# KiCad board st296n_20741.kicad_pcb (continued)
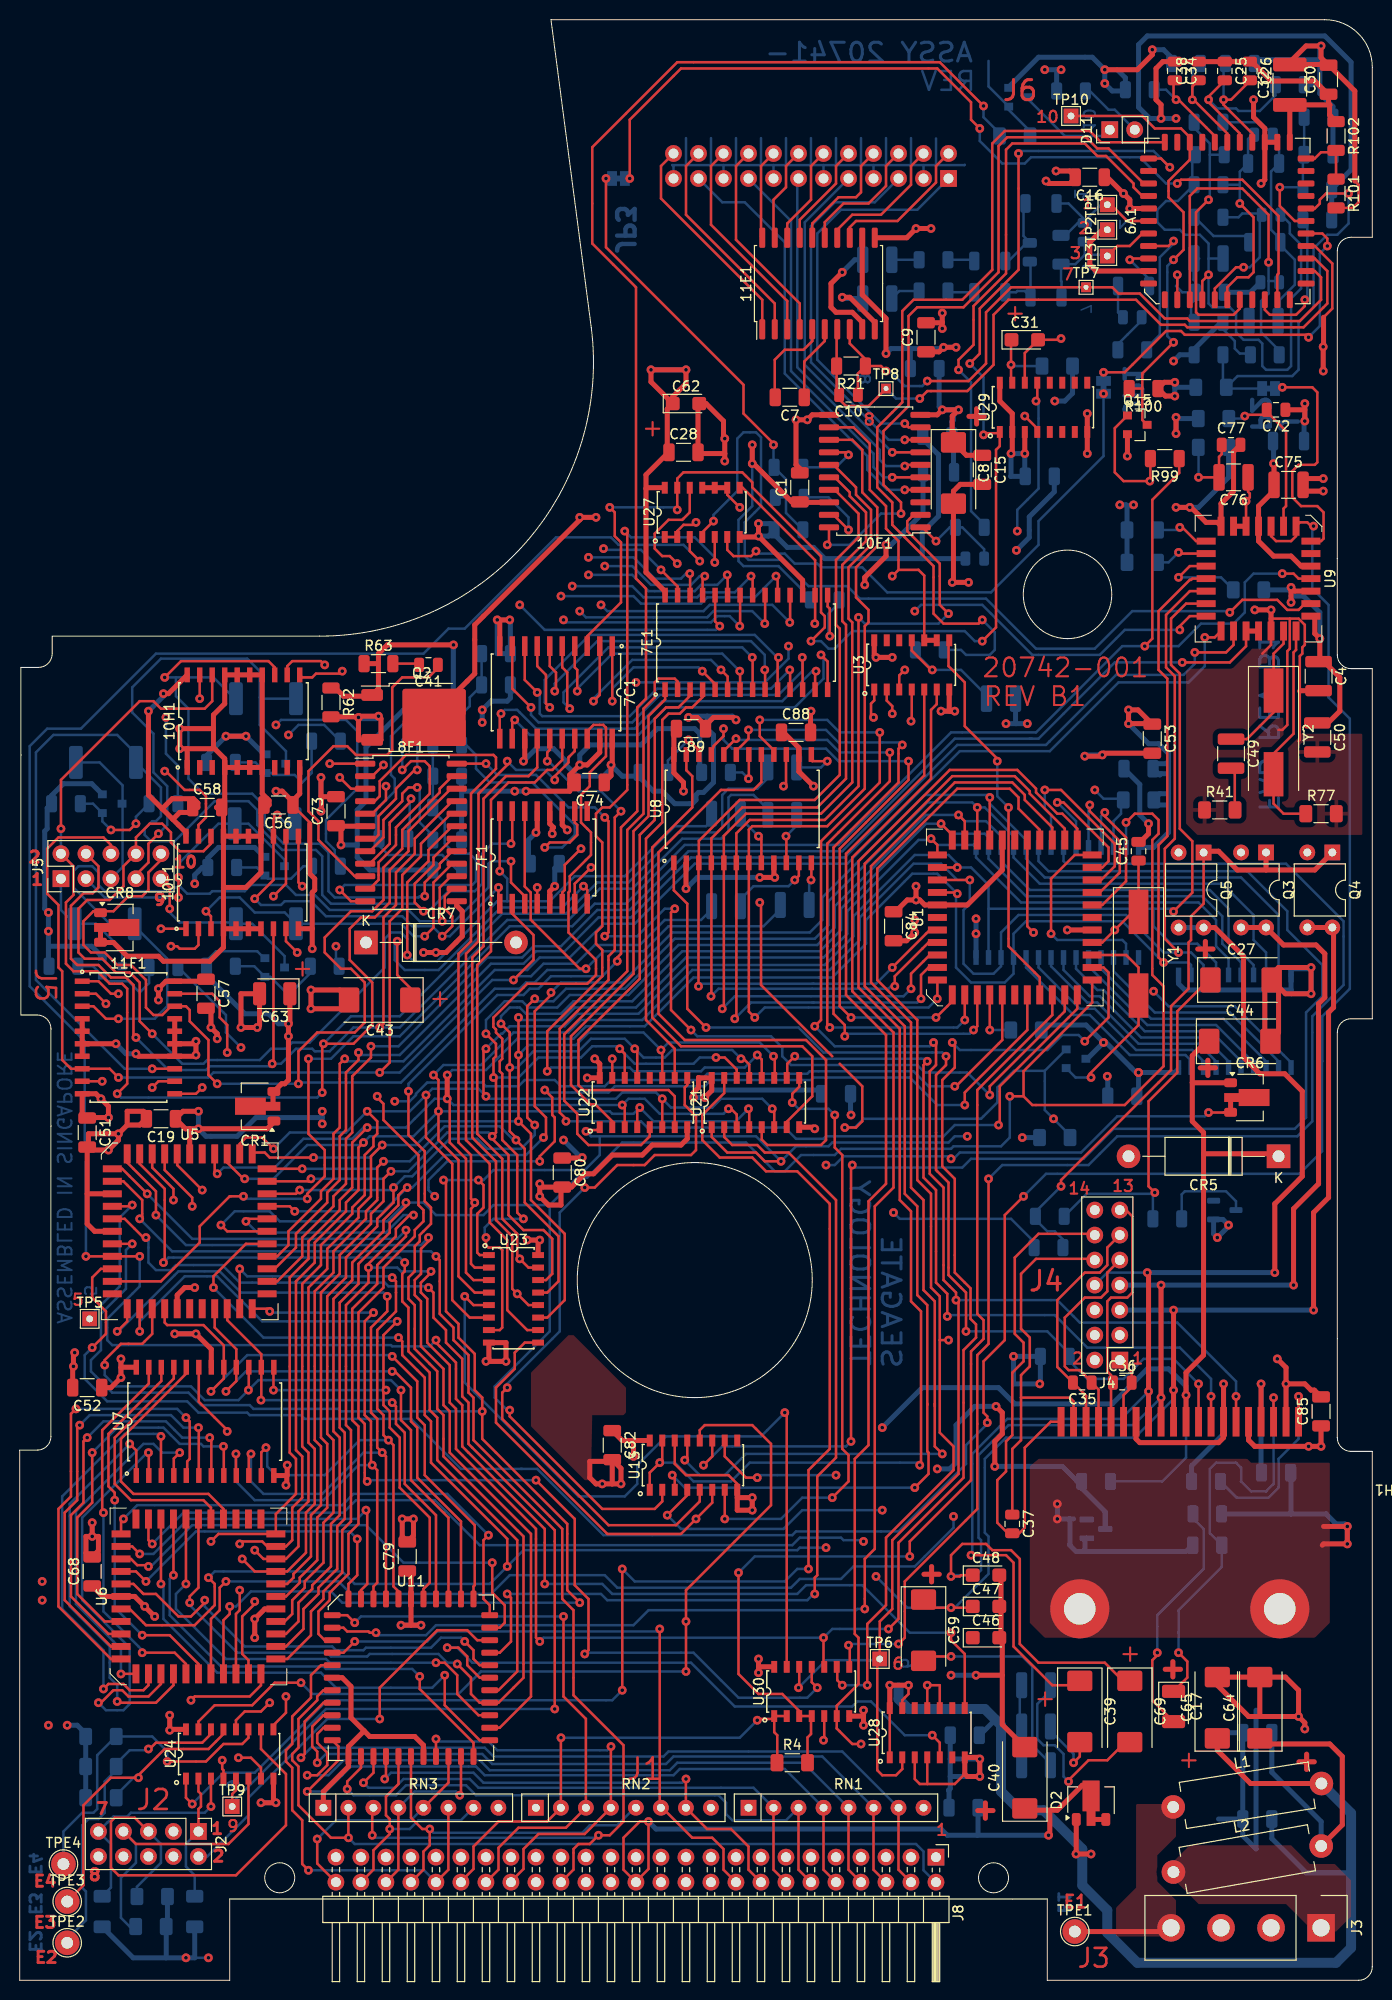
[diagram p0: board, top side]
## Routing (per net, layer and track width the routed paths; a pad name or vN(x,y) marks a point on that pad's centre or on a via; arc(x,y) is an arc through that point) (continued)
GND: length 1118.1
  Top w0.254: 129.03,138.3 129.03,135.25 128.78,135 128.78,127.51 128.27,127 127.89,127 ; 129.03,138.3 127.13,138.3 ; 129.03,138.3 129.92,138.3 130.56,137.67 130.56,135.64 130.3,135.38 130.3,134.75 130.05,134.49 130.05,125.98 129.92,125.86 ; U28.11 v1(92.2,29.97) 93.47,29.97 U28.10 ; 92.2,19.94 91.44,19.94 90.93,20.45 U28.3 ; 92.2,19.94 95,19.94 96.01,20.96 ; 92.2,19.94 U28.4 ; U13.8 72.9,50.42 72.01,51.31 67.69,51.31 66.55,52.45 U13.14 ; U9.23 127.13,135.64 126.24,134.75 ; 6A1.21 131.57,176.15 133.35,174.37 133.35,169.8 132.46,168.91 ; R101.2 135.44,180.02 136.02,180.59 136.02,182.37 135.64,182.75
  Top w0.508: 11F1.15 17.65,95.12 v1(17.91,95.38) v1(17.91,93.98) 17.78,93.85 11F1.14 ; C80.2 54.99,80.44 54.99,78.74 53.72,78.74 v1(52.83,79.63) v1(52.83,80.9) 53.16,80.57 C80.2 ; C80.2 56.06,80.57 57.4,81.92 58.29,81.92 60.2,83.82 63.25,83.82 64.26,84.84 67.18,84.84 67.82,85.47 U22.8 ; v1(30.61,122.17) 30.61,120.27 30.66,120.22 ; v1(75.06,146.69) v1(75.06,147.96) ; v1(75.06,146.69) 74.97,146.6 U27.7 ; v1(75.06,146.69) 79.54,142.21 7E1.17 ; v1(11.81,94.11) 12.07,93.85 11F1.14 ; v1(85.72,25.91) v1(85.72,27.43) 85.72,26.8 85.69,26.84 U30.7 ; 60.2,52.88 61.09,51.99 v1(61.09,50.42) 60.2,50.42 ; 60.2,52.88 60.02,52.71 57.91,52.71 57.91,51.05 58.55,50.42 v1(59.18,50.42) 60.2,50.42 ; 60.2,52.88 60.2,50.42 ; v1(17.78,70.36) 16.76,70.36 16,69.6 U5.22 ; 55.88,121.54 55.88,122.43 v1(56.9,123.44) 57.66,123.44 58.93,124.71 7C1.19 ; 55.88,121.54 56.01,121.67 56.44,121.67 ; 55.88,121.54 55.88,120.78 v1(51.44,120.78) ; v1(117.47,157.1) v1(117.47,158.75) ; 6.86,84.33 6.86,79.88 ; 6.86,84.33 6.98,84.46 6.98,85.98 v1(10.03,85.98) ; 6.86,84.33 v1(9.02,84.33) 10.03,85.34 v1(10.03,85.98) ; 6.86,79.88 6.86,76.84 7.62,76.07 U5.12 ; 6.86,79.88 U5.9 ; v1(110.24,194.06) 113.54,194.06 115.06,195.58 v1(115.06,196.09) ; 135.64,182.75 135.64,191.9 133.02,194.52 C30.2 ; v1(129.92,26.8) 129.92,29.46 128.59,30.8 C64.2 ; v1(129.92,26.8) 125.98,26.8 ; v1(129.92,26.8) 130.56,26.16 v1(130.56,25.53) ; 128.65,56.73 v1(128.65,60.58) ; v1(128.65,60.58) 128.65,62.23 v1(127.76,63.12) ; v1(128.65,60.58) 130.56,60.58 131.19,59.94 131.52,59.94 C85.2 ; v1(15.75,65.66) v1(17.91,65.66) 19.47,64.1 U7.18 ; 10H1.4 20.83,124.08 19.69,125.22 ; 10H1.4 20.83,119.95 20,119.13 20.7,118.43 10F1.17 ; 10H1.4 10H1.7 ; v1(125.35,191.01) 125.35,189.23 126.49,188.09 6A1.31 ; v1(10.03,85.98) 10.92,86.87 ; v1(132.43,151.26) 130.81,151.26 130.38,151.69 C75.2 130.38,152.22 130.68,152.53 v1(132.43,152.53) ; U1.22 v1(106.43,106.68) ; 10.92,86.87 10.92,88.27 12.57,88.27 12.88,87.96 C19.2 12.83,87.5 12.19,86.87 10.92,86.87 ; 93.73,168.4 v1(93.73,167.77) ; 93.73,168.4 v1(93.73,169.34) ; 93.73,168.4 93.68,168.35 C9.2 ; 10H1.1 17.02,125.1 ; 17.02,125.1 19.56,125.1 19.69,125.22 ; 17.02,125.1 v1(16.26,125.1) v1(16.26,127.13) 19.69,127.13 ; CR8.2 8.21,106.85 CR8.3 8.23,105.41 9.52,105.41 10.92,104.01 14.1,104.01 14.61,103.51 19.3,103.51 20.7,104.9 10F1.4 ; C4.2 130.1,130.99 130.05,130.94 ; 19.69,127.13 19.69,128.52 20.83,129.67 10H1.17 10H1.14 10H1.7 ; 19.69,127.13 19.69,125.22 ; 11F1.6 v1(9.78,95.12) ; 20.7,111 10F1.17 ; 20.7,111 10F1.4 ; 20.7,111 22.99,111 24.51,112.52 10F1.14 ; 10F1.17 10F1.14 ; v1(122.3,60.58) 4H1.7 122.3,55.12 121.79,54.61 113.79,54.61 113.41,54.99 4H1.14 ; 11F1.14 11F1.17 ; 27.14,51.27 27.14,50.38 v1(27.05,50.29) ; 27.14,51.27 27.18,51.31 v1(27.18,52.32) ; 27.14,51.27 U7.12 ; 11E1.11 90.12,176.99 v1(91.06,177.93) v1(92.58,177.93) ; C64.2 C65.2 121.67,29.97 124.84,26.8 125.98,26.8 ; C64.2 125.98,26.8 ; C73.2 30.66,120.22 ; 30.66,120.22 30.66,118.79 v1(30.61,118.75) ; 11F1.4 11F1.7 ; C89.2 66.46,126.86 U8.24 66.46,122.65 67.44,121.67 v1(67.44,120.78) ; 34.99,25.34 33.4,23.75 U11.18 33.4,21.72 30.85,19.17 RN3.1 ; 34.99,25.34 35.56,24.77 40.13,24.77 41.02,23.88 U11.24 ; 34.99,25.34 33.66,26.67 33.66,29.84 32.77,30.73 U11.12 ; 71.63,155.07 v1(71.63,156.59) 71.5,156.72 71.5,158.37 69.72,160.15 C62.2 68.91,160.02 C28.2 69.04,155.07 71.63,155.07 ; 71.63,155.07 v1(71.63,154.31) ; v1(75.18,112.01) v1(76.71,112.01) 76.62,112.11 U8.9 ; C15.2 95.55,151.94 94.86,151.25 C8.2 94.86,142.11 v1(94.74,141.99) v1(96.39,141.99) ; 99.82,30.99 99.82,25.97 C40.2 ; 99.82,30.99 99.82,34.5 C46.2 99.69,34.97 99.69,37.8 C47.2 99.69,38.15 99.69,40.97 C48.2 ; 99.82,30.99 v1(97.16,30.99) ; 132.46,46.1 v1(134.87,46.1) v1(134.87,44.32) 132.46,44.32 132.33,44.2 ; v1(24.51,18.03) v1(26.04,18.03) 25.78,18.29 U24.8 ; v1(49.78,138.18) v1(48.51,138.18) 48.77,137.92 7C1.10 ; 44.4,109.6 44.4,109.14 44.96,108.59 44.96,106.05 43.31,104.39 v1(42.29,104.39) v1(41.02,104.39) ; v1(112.52,154.81) 112.54,154.83 Q15.2 ; C84.2 90.09,105.59 v1(90.93,106.43) v1(90.93,107.7) ; U13.8 72.9,49.02 ; 72.9,49.02 v1(74.42,49.02) v1(74.42,47.75) 72.9,47.75 72.9,49.02 ; v1(67.69,110.87) 67.69,113.46 U8.2 ; v1(126.11,182.5) 126.49,182.88 6A1.31 ; v1(23.88,34.8) v1(23.88,36.7) 24.89,37.72 26.02,37.72 ; 10F1.14 24.51,118.55 25.34,119.38 25.34,119.82 24.64,120.52 10H1.7 ; U9.23 v1(127.13,139.19) v1(125.48,139.19) ; C27.2 127.89,100.9 127.89,96.27 127.06,95.44 C44.2 127.06,95.69 126.49,96.27 126.49,100.9 C27.2 ; C27.2 127.19,102.17 127.89,102.87 v1(131.19,102.87) v1(131.19,100.2) 128.59,100.2 C27.2 ; 10E1.11 80.52,159 v1(80.01,158.5) v1(78.87,158.5) 78.87,153.92 79.25,153.54 C1.2 ; C30.2 132.21,195.28 v1(132.21,196.47) 130.68,196.47 129.03,194.82 C32.2 132.9,194.58 C30.2 ; C77.2 123.32,155.26 123.32,151.26 122.05,149.99 U9.11 122.05,147.7 121.67,148.08 120.52,148.08 119,149.61 v1(118.87,149.61) v1(117.47,149.61) ; v1(7.37,45.09) 6.73,45.09 6.73,43.43 7.16,43 C68.2 8,43.64 8,45.09 v1(7.37,45.09) ; v1(7.37,45.09) v1(7.37,46.48) ; 132.46,168.91 132.46,165.95 v1(132.42,165.91) 132.42,163.46 v1(132.43,163.45) ; v1(93.6,128.91) v1(95,128.91) 94.49,128.91 94.43,128.96 U3.7 ; v1(104.27,182.75) 104.52,182.5 106.68,182.5 107.24,183.06 C16.2 107.24,183.21 106.68,183.77 v1(105.28,183.77) ; v1(108.46,159.13) U29.8 v1(108.46,155.07) ; 7F1.13 52.58,116.71 v1(52.45,116.59) ; C52.2 5.38,62.28 v1(5.46,62.36) 5.46,63.63 v1(5.59,63.75) ; C53.2 110.16,124.64 v1(109.98,124.46) 109.85,124.33 v1(108.2,124.33) ; v1(20.07,95.63) 20.07,96.14 v1(19.43,96.77) 19.43,98.43 19.13,98.73 C57.2 ; v1(80.39,128.91) 80.34,128.86 C88.2 ; TP2.1 109.98,177.8 108.71,176.53 108.71,174.24 109.35,173.61 6A1.5 ; 10F1.7 10F1.4 ; v1(114.68,117.48) 114.68,116.46 113.85,115.63 C45.2 ; 6A1.31 6A1.30 ; v1(80.77,86.49) 80.61,86.65 U21.8 ; 38.86,45.09 v1(38.86,46.86) v1(40,46.86) 40,45.16 C79.2 39.37,44.58 38.86,45.09 ; U28.7 97.37,22.65 v1(97.54,22.48) v1(97.54,20.7) 96.27,20.7 96.01,20.96 U28.7 ; U23.8 49.4,64.77 v1(49.4,62.87) v1(47.37,62.87) 47.67,63.16 U23.8 ; C43.2 33.46,99.63 32.51,100.58 v1(29.59,100.58) v1(29.59,98.68) 32.64,98.68 33.46,99.5 C43.2 ; C63.2 22.48,100.2 v1(22.48,96.77) v1(24.13,96.77) 24.37,97.01 C63.2
  Bottom w0.254: 77.85,184.4 77.85,187.11 ; J6.3 91.82,184.37 ; 91.82,184.37 93.09,184.37 ; 91.82,184.37 86.74,184.37 ; J6.23 66.42,184.24 66.29,184.37 71.5,184.37 ; 81.66,184.37 86.74,184.37 ; 81.66,184.37 76.58,184.37 ; 81.66,184.37 J6.11 ; 86.74,184.37 J6.7 ; 75.31,184.4 75.31,187.11 ; 93.09,184.37 95.97,184.37 96.01,184.4 ; 93.09,184.37 93.09,187.07 ; 72.77,184.4 72.77,187.11 ; 80.39,184.4 80.39,187.11 ; 70.23,184.4 70.23,187.11 ; J6.19 71.5,184.37 ; 71.5,184.37 76.58,184.37 ; 88.01,184.4 88.01,187.11 ; 67.69,184.4 67.69,187.11 ; R27.2 124.9,165.23 123.95,165.23 123.44,165.74 123.44,166.5 122.24,167.7 R26.1 ; 76.58,184.37 J6.15 ; 82.93,184.4 82.93,187.11 ; 90.55,184.4 90.55,187.11 ; 85.47,184.4 85.47,187.11
  Bottom w0.508: R26.1 122.05,168.4 119.31,165.67 R35.2 117.86,165.1 v1(117.22,164.47) ; C78.2 133.42,185.43 R103.2 133.42,190.31 132.08,191.64 132.08,192.53 ; v1(117.47,149.61) v1(118.87,149.61) 119.76,149.61 122.81,152.65 122.81,155.68 R96.2 ; C81.2 84.41,87.93 v1(84.45,87.88) ; v1(19.43,96.77) 20.07,96.14 v1(20.07,95.63) ; C18.2 119.13,44.2 118.49,43.56 108.2,43.56 ; v1(97.16,107.82) v1(97.16,106.3) U4.14 ; R3.2 76.64,147.25 76.07,146.69 v1(75.06,146.69) ; R3.2 76.64,146.88 77.98,145.54 80.64,145.54 81.79,144.4 91.69,144.4 ; R3.2 76.64,147.51 76.2,147.96 v1(75.06,147.96) ; 132.08,195.07 126.11,195.07 125.73,194.69 R33B1.1 ; 132.08,195.07 132.08,196.34 v1(132.21,196.47) ; 132.08,195.07 132.08,192.53 ; 44.9,120.78 R55.2 ; 44.9,120.78 R57.1 ; 44.9,120.78 v1(50.29,120.78) v1(51.44,120.78) ; v1(11.81,94.11) 10.8,94.11 v1(9.78,95.12) ; v1(115.06,196.09) 116.21,196.09 117.03,195.26 R53.2 ; 51.86,113.41 51.86,113.87 51.69,114.05 51.69,115.82 v1(52.45,116.59) ; 108.2,43.56 108.2,44.69 CR4.1 ; 108.2,43.56 107.31,43.56 106.68,44.2 106.68,46.86 ; C33.2 129.16,51.51 129.16,47.37 ; v1(117.47,157.1) v1(117.47,158.75) 117.6,158.62 119.74,158.62 ; 132.08,192.53 R32.2 ; C70.2 124.25,14.68 125.6,13.34 125.6,27.43 ; C70.2 C66.2 122.3,25.15 ; C70.2 121.79,16.38 ; v1(22.48,96.77) v1(24.13,96.77) ; U2.1 117.73,101.22 118.36,100.58 129.16,100.58 ; 94.54,22.48 94.54,20.7 ; 94.54,22.48 C86.2 ; 94.54,22.48 v1(97.54,22.48) v1(97.54,20.7) 94.54,20.7 ; 94.54,20.7 94.54,19.48 94.36,19.3 94.41,19.26 C6.2 ; v1(17.91,65.66) v1(15.75,65.66) ; 106.68,46.86 107.06,46.86 ; 106.68,46.86 v1(105.41,46.86) v1(105.41,48.39) ; 101.22,127.64 v1(100.2,127.64) ; 101.22,127.64 101.17,127.68 C5.2 ; 101.22,127.64 v1(102.36,127.64) ; v1(111.76,149.86) 112.4,149.86 112.5,149.76 ; v1(101.25,145.24) 102.57,146.55 102.57,148.64 105.11,151.18 C55.2 ; v1(4.83,25.91) 5.84,25.91 6.7,25.05 6.7,18.54 ; v1(113.16,149.86) 113.06,149.76 112.5,149.76 ; C71.2 113.79,121.46 113.79,118.36 v1(114.68,117.48) ; v1(110.24,194.06) 108.97,195.33 103.5,195.33 100.47,192.29 Q13.2 ; v1(110.24,194.06) v1(110.24,192.66) 111,191.9 112.2,191.9 R51.2 112.33,193.23 111.51,194.06 v1(110.24,194.06) ; v1(109.98,124.46) 108.33,124.46 v1(108.2,124.33) ; v1(76.71,112.01) v1(75.18,112.01) 68.83,112.01 v1(67.69,110.87) ; 129.16,100.58 U2.10 129.16,102.62 129.29,102.74 131.06,102.74 v1(131.19,102.87) v1(131.19,100.2) 129.16,100.2 129.16,100.58 ; v1(122.3,60.58) 122.3,55.5 119.06,52.26 R50.1 ; C3.1 91.69,144.4 ; 91.69,144.4 91.69,147.07 93.34,148.72 93.34,154.94 91.74,156.54 C2.2 ; v1(23.88,36.7) v1(23.88,34.8) ; 112.5,149.76 R97.2 R98.2 ; v1(38.86,46.86) v1(40,46.86) ; v1(30.61,118.75) v1(30.61,122.17) ; v1(110.49,91.82) 110.54,91.77 C83.2 ; v1(74.42,49.02) v1(74.42,47.75) ; R49.1 129.16,47.37 ; 129.16,47.37 132.72,47.37 133.73,46.36 134.62,46.36 v1(134.87,46.1) v1(134.87,44.32) ; v1(24.51,18.03) v1(26.04,18.03) ; v1(90.93,106.43) v1(90.93,107.7) ; R7.2 69.09,122.87 69.09,126.62 68.58,127.13 64.77,127.13 63.12,125.48 57.91,125.48 56.9,124.46 v1(56.9,123.44) ; v1(97.16,30.99) v1(94.61,30.99) ; R11.1 v1(101.85,85.6) ; v1(47.37,62.87) v1(49.4,62.87) ; v1(16.26,125.1) v1(16.26,127.13) ; v1(95,128.91) v1(93.6,128.91) ; 49.85,138.11 v1(49.78,138.18) v1(48.51,138.18) 48.51,134.75 R60.1 49.85,138.11
  vias: v1(2.29,40.51) v1(2.29,38.61) v1(2.92,25.91)
/Analog/COILU: length 131.6
  Top w0.254: v1(96.65,43.18) 100.2,43.18 100.97,42.42 100.97,33.91 104.9,29.97 107.25,29.97 C39.1
  Top w0.508: Q5.4 121.42,106.92 124.33,104.01 124.33,93.73 125.98,92.08 128.52,92.08 130.3,90.3 130.3,81.66 127.51,78.87 v1(127.51,71.88) ; v1(114.55,71.88) 114.68,71.76 4H1.13
  Bottom w0.254: v1(114.68,59.82) 111.89,57.02 100.33,57.02 96.77,53.47 96.77,43.31 v1(96.65,43.18) ; v1(114.55,71.88) 110.49,71.88 J4.8
  Bottom w0.508: v1(114.55,71.88) v1(127.51,71.88) ; Q5.3 Q5.4
/Analog/COILV: length 146
  Top w0.254: 96.82,41.15 95.63,41.15 95.5,41.02 v1(94.61,41.02) 94.61,43.18 95.76,44.32 98.17,44.32 98.81,43.69 100.71,43.69 101.6,42.8 101.6,34.16 103.5,32.26 110.24,32.26 112.08,30.42 C69.1
  Top w0.508: v1(115.95,70.61) 4H1.12 ; Q3.3 Q3.4 128.4,105.16 131.7,105.16 132.59,104.27 132.59,99.82 131.95,99.19 131.95,80.9 129.41,78.36 v1(129.41,70.61)
  Bottom w0.254: v1(115.95,59.18) 113.16,56.39 100.46,56.39 97.41,53.34 97.41,44.96 97.66,44.7 97.66,41.66 97.16,41.15 94.74,41.15 v1(94.61,41.02)
  Bottom w0.508: v1(129.41,70.61) v1(115.95,70.61) J4.7
/Analog/COILW: length 233.4
  Top w0.254: 7F1.6 55.12,110.49 55.37,110.74 55.37,113.28 v1(57.02,114.94) ; 96.69,37.97 96.57,37.85 v1(94.61,37.85) 92.65,37.85 C59.1
  Top w0.508: v1(131.44,68.07) 131.44,77.98 132.97,79.5 132.97,98.3 133.48,98.81 133.48,106.81 Q4.4 Q4.3 ; v1(117.22,68.07) 4H1.11
  In2.Cu w0.254: v1(57.02,114.94) 56.77,114.68 56.77,112.65 57.28,112.14 58.29,112.14 66.29,104.14 81.66,104.14 87,98.81 87,81.53 84.07,78.61 84.07,61.59 88.52,57.15 88.52,42.55 v1(87,41.02)
  Bottom w0.254: v1(117.22,59.94) 117.22,59.06 113.28,55.12 100.2,55.12 98.04,52.96 98.04,45.47 98.42,45.09 98.42,41.28 95,37.85 v1(94.61,37.85) 90.17,37.85 v1(87,41.02)
  Bottom w0.508: v1(131.44,68.07) v1(117.22,68.07) J4.5
/Analog/HDC1: length 41.8
  Top w0.254: v1(89.92,158.12) 90.3,157.73 10E1.9
  Bottom w0.254: v1(89.92,158.12) 87.5,158.12 81.03,164.59 81.03,177.42 83.44,179.83 91.19,179.83 J6.1
/Analog/HDC2: length 39.1
  Top w0.254: 10E1.8 v1(89.92,156.46)
  Bottom w0.254: J6.5 86.87,180.59 82.8,180.59 80.39,178.18 80.39,164.34 88.27,156.46 v1(89.92,156.46)
/Analog/HDC3: length 36.2
  Top w0.254: 10E1.7 v1(88.65,155.19)
  Bottom w0.254: v1(88.65,155.19) 79.76,164.08 79.76,178.56 J6.9
/Analog/HDC4: length 36.6
  Top w0.254: 10E1.6 90.04,153.92 v1(89.92,153.8)
  Bottom w0.254: v1(89.92,153.8) 88.01,153.8 87.38,154.43 87.38,155.45 78.99,163.83 78.99,182.88 79.12,183.01
/Analog/HDC5: length 39.8
  Top w0.254: 10E1.5 v1(88.65,152.65)
  Bottom w0.254: v1(88.65,152.65) 87.76,152.65 86.74,153.67 86.74,155.07 78.36,163.45 78.36,178.69 J6.17
/Analog/HDC6: length 44.3
  Top w0.254: 10E1.4 v1(89.92,151.38)
  Bottom w0.254: 68.96,183.01 71.37,180.59 73.66,180.59 77.72,176.53 77.72,163.19 86.11,154.81 86.11,153.42 88.14,151.38 v1(89.92,151.38)
/Analog/M_ENA: length 126.8
  Top w0.254: 15.49,90.04 17.91,90.04 v1(18.54,90.68) ; v1(68.07,142.88) 68.11,142.84 7E1.26
  In2.Cu w0.254: v1(57.78,144.53) 56.13,144.53 52.32,140.72 52.32,139.06 51.44,138.18 51.44,137.67 50.42,136.65 47.24,136.65 42.55,131.95 33.53,131.95 33.15,131.57 28.07,131.57 25.53,129.03 19.56,129.03 18.92,128.4 16.13,128.4 14.86,127.13 5.21,127.13 2.79,124.71 2.79,111.25 5.97,108.08 5.97,96.65 9.14,93.47 9.65,93.47 12.07,91.06 12.07,90.42 12.57,89.92 17.78,89.92 v1(18.54,90.68)
  Bottom w0.254: v1(68.07,142.88) 67.69,142.88 67.18,142.37 64.52,142.37 62.36,144.53 v1(57.78,144.53)
/Analog/M_ENB: length 50.4
  Top w0.254: v1(71.12,137.54) 70.65,138.01 7E1.24 ; v1(32.77,132.97) 32.51,132.72 30.1,132.72 29.72,132.33 28.7,132.33 10H1.11
  In2.Cu w0.254: v1(32.77,132.97) 40,132.97 43.69,136.65 45.34,136.65 47.88,139.19 50.29,139.19 v1(50.8,139.7)
  Bottom w0.254: v1(71.12,137.54) 70.74,137.16 53.34,137.16 v1(50.8,139.7)
/Analog/M_ENC: length 123.2
  Top w0.254: v1(14.35,106.81) 14.35,106.81 10F1.1 ; v1(73.15,137.54) 73.19,137.58 7E1.22
  In2.Cu w0.254: v1(55.25,138.18) 53.97,136.91 53.97,136.4 51.69,134.11 48.64,134.11 43.81,129.29 34.8,129.29 34.54,129.03 29.97,129.03 28.83,127.89 28.83,125.6 28.07,124.84 24.77,124.84 23.75,125.86 23.75,127.25 23.24,127.76 20.19,127.76 16.76,124.33 15.75,124.33 15.11,124.97 8.89,124.97 7.87,123.95 7.87,109.86 7.75,109.73 7.75,98.55 9.27,97.03 10.41,97.03 11.18,97.79 11.18,103.63 v1(14.35,106.81)
  Bottom w0.254: v1(55.25,138.18) 55.5,137.92 70.23,137.92 70.87,138.56 72.14,138.56 v1(73.15,137.54)
/Analog/M_END: length 111.5
  Top w0.254: v1(10.03,100.2) 9.27,100.2 8,101.47 6.09,101.47 ; v1(75.69,137.8) 75.73,137.83 7E1.20
  In2.Cu w0.254: v1(56.9,139.06) 56.9,138.05 52.2,133.35 48.89,133.35 47.88,132.33 47.88,126.75 47.24,126.11 31.75,126.11 27.94,122.3 27.94,120.78 26.67,119.51 19.56,119.51 14.99,124.08 12.07,124.08 10.54,122.56 10.54,100.71 v1(10.03,100.2)
  Bottom w0.254: v1(75.69,137.8) 74.42,139.06 70.48,139.06 69.85,138.43 57.53,138.43 v1(56.9,139.06)
/Analog/M_ENE: length 83.9
  Top w0.254: 7E1.18 78.27,137.96 v1(78.23,137.92) ; v1(28.7,111.12) 28.32,111.51 10F1.11
  In1.Cu w0.254: v1(59.06,139.7) 59.31,139.45 59.31,129.54 55.25,125.48 31.24,125.48 28.7,122.94 v1(28.7,111.12)
  Bottom w0.254: v1(78.23,137.92) 76.45,139.7 70.1,139.7 69.47,139.06 59.69,139.06 v1(59.06,139.7)
/Analog/MOT_INDEX: length 105.1
  Top w0.254: v1(94.11,93.85) 94.11,92.96 93.09,91.95 93.09,82.3 94.36,81.03 94.36,71.63 96.14,69.85 v1(96.14,65.91) ; 4H1.9 v1(119.76,60.58) ; v1(69.72,96.77) 67.82,98.68 67.82,109.35 66.46,110.71 U8.1
  Bottom w0.254: v1(94.11,93.85) 93.73,94.23 81.66,94.23 79.12,96.77 v1(69.72,96.77) ; v1(96.14,65.91) 104.39,65.91 106.62,63.69 R46.2 106.62,62.93 108.46,61.09 112.14,61.09 114.17,63.12 117.22,63.12 v1(119.76,60.58)
/Analog/MOTA+: length 127.3
  Top w0.254: 15.5,92.58 v1(13.46,92.58) ; v1(41.02,108.59) 40.13,109.47 40.13,111.38 42.04,113.28 42.04,114.05 43.94,115.95 44.4,115.95 ; v1(49.91,115.44) 50.04,115.57 7F1.15
  Bottom w0.254: v1(49.91,115.44) 48.01,115.44 46.99,114.43 46.99,111.38 46.23,110.62 43.56,110.62 41.53,108.59 v1(41.02,108.59) 40.26,109.35 31.62,109.35 30.73,110.24 30.73,114.17 30.1,114.81 26.67,114.81 24.13,117.35 24.13,118.87 23.24,119.76 19.81,119.76 15.75,115.7 13.34,115.7 12.7,116.33 12.7,116.97 13.46,117.73 13.84,117.73 14.35,118.24 14.35,121.16 11.81,123.7 R67.1 11.81,124.59 9.91,126.49 3.43,126.49 1.65,124.71 1.65,101.6 10.67,92.58 v1(13.46,92.58)
/Analog/MOTA-: length 168.7
  Top w0.254: 14.35,114.43 14.35,113.79 13.08,112.52 13.08,110.74 12.45,110.11 11.05,110.11 9.52,108.59 7.49,108.59 6.48,107.57 6.48,105.16 7.24,104.39 8.64,104.39 9.91,103.12 11.3,103.12 12.83,101.6 12.83,98.81 13.59,98.04 14.48,98.04 15.37,98.93 16.89,98.93 17.27,98.55 17.27,97.41 19.18,95.5 19.18,91.95 v1(20.07,91.06) ; v1(57.53,102.74) 56.9,102.74 51.91,107.73 51.91,110.49 51.31,111.1 7F1.14 ; v1(28.32,91.06) 28.32,94.36 30.23,96.27 34.04,96.27 35.05,97.28 35.05,101.35 33.66,102.74 32.64,102.74 30.99,104.39 30.99,105.92 33.66,108.59 35.81,108.59 36.96,109.73 36.96,113.03 38.86,114.94 38.86,116.84 42.67,120.65 42.67,121.03 43.94,122.3 44.4,122.3
  Bottom w0.254: v1(20.07,91.06) v1(28.32,91.06) 28.45,91.19 38.73,91.19 48.26,100.71 50.8,100.71 51.44,101.35 52.32,101.35 53.59,102.62 57.4,102.62 v1(57.53,102.74) 59.31,104.52 63.37,104.52 65.91,107.06 75.56,107.06 77.28,108.77 R19.1
/Analog/MOTA_U: length 72.3
  Top w0.254: v1(65.15,143.26) 66.84,141.57 7E1.27
  In2.Cu w0.254: v1(59.31,145.42) 58.8,145.42 58.67,145.54 56.26,145.54 51.69,140.97 51.69,139.45 50.8,138.56 50.8,137.8 50.29,137.29 46.86,137.29 42.04,132.46 33.39,132.46 33.01,132.08 27.81,132.08 25.4,129.67 19.3,129.67 18.67,129.03 15.62,129.03 v1(14.86,128.27)
  Bottom w0.254: v1(14.86,128.27) 14.86,124.59 16.07,123.38 R18.1 ; v1(65.15,143.26) 63.12,145.29 59.44,145.29 v1(59.31,145.42)
/Analog/MOTB+: length 70.5
  Top w0.254: 44.4,114.68 43.94,114.68 42.67,113.41 42.67,113.03 41.15,111.51 v1(41.15,110.11) ; v1(14.73,132.33) 16.38,133.99 25.27,133.99 25.91,133.35 10H1.13
  Bottom w0.254: R81.1 21.84,130.18 19.69,132.33 15.88,132.33 ; v1(41.15,110.11) 40.64,110.11 40.51,109.98 32,109.98 31.37,110.62 31.37,114.55 30.48,115.44 26.8,115.44 24.89,117.35 24.89,119.25 23.62,120.52 18.67,120.52 17.15,122.05 17.15,129.16 15.88,130.43 15.88,132.33 ; 15.88,132.33 v1(14.73,132.33)
/Analog/MOTB-: length 181.8
  Top w0.254: v1(30.73,90.17) 30.73,95 v1(30.86,95.12) 33.91,95.12 35.81,97.03 35.81,101.35 33.53,103.63 33.53,106.81 34.67,107.95 36.07,107.95 37.59,109.47 37.59,112.78 39.5,114.68 39.5,116.71 43.81,121.03 44.4,121.03 ; v1(4.19,116.97) 4.19,121.92 12.19,129.92 13.59,129.92 14.35,129.16 18.8,129.16 19.56,129.92 10H1.18 ; v1(9.91,90.04) 10.92,91.06 10.92,100.71 10.41,101.22 9.14,101.22 7.87,102.49 5.46,102.49 4.7,103.25 4.7,109.47 5.46,110.24 5.46,113.16 4.19,114.43
  Bottom w0.254: 4.19,114.43 v1(4.19,116.97) ; v1(30.73,90.17) 30.23,89.66 10.29,89.66 v1(9.91,90.04) ; R33.1 76.01,122.11 74.93,121.03 72.01,121.03 71.37,120.4 71.37,117.09 70.87,116.59 66.93,116.59 61.85,111.51 58.67,111.51 55.5,108.33 49.02,108.33 38.61,97.92 33.66,97.92 v1(30.86,95.12)
/Analog/MOTB_U: length 65.5
  Top w0.254: 69.38,140.69 69.38,142.4 v1(69.6,142.62)
  In2.Cu w0.254: v1(59.44,143.64) 56.13,143.64 52.96,140.46 52.96,138.68 52.07,137.8 52.07,137.16 50.93,136.02 47.62,136.02 42.93,131.32 33.91,131.32 33.53,130.94 28.32,130.94 25.91,128.52 25.53,128.52 25.02,128.02 25.02,127 25.53,126.49 v1(27.3,126.49)
  Bottom w0.254: v1(27.3,126.49) 28.32,127.51 30.93,127.51 R36.1 ; v1(59.44,143.64) 62.23,143.64 64.14,141.73 68.2,141.73 69.09,142.62 v1(69.6,142.62)
/Analog/MOTC+: length 35.4
  Top w0.254: v1(41.15,106.05) 42.04,106.93 42.04,111.51 43.94,113.41 44.4,113.41 ; 10F1.3 19.43,108.08 v1(18.92,108.59)
  Bottom w0.254: v1(41.15,106.05) 40,106.05 38.73,107.32 R67B1.1 26.93,108.46 23.88,108.46 22.35,109.98 20.32,109.98 v1(18.92,108.59)
/Analog/MOTC-: length 146.6
  Top w0.254: v1(36.58,96.77) 36.96,97.16 36.96,107.95 38.23,109.22 38.23,112.52 40.13,114.43 40.13,115.95 43.94,119.76 44.4,119.76 ; v1(25.65,93.09) 25.78,93.22 10F1.8 ; 6.73,114.43 8,113.16 8,111 7.41,110.41 6.48,110.41 5.21,109.14 5.21,103.76 5.84,103.12 8,103.12 9.27,101.85 10.8,101.85 11.56,101.09 11.56,96.01 v1(11.81,95.76)
  Bottom w0.254: R12.1 76.01,118.94 74.55,120.4 72.26,120.4 72.01,120.14 72.01,116.71 71.25,115.95 67.31,115.95 62.23,110.87 58.93,110.87 55.75,107.7 49.53,107.7 38.61,96.77 v1(36.58,96.77) 33.91,96.77 31.5,94.36 29.97,94.36 29.72,94.62 28.07,94.62 26.54,93.09 v1(25.65,93.09) 25.4,92.84 19.3,92.84 18.92,92.46 15.11,92.46 v1(11.81,95.76)
/Analog/MOTC_U: length 89.2
  Top w0.254: v1(71.88,142.75) 71.92,142.71 7E1.23
  In1.Cu w0.254: v1(57.78,142.75) 60.2,142.75 61.09,141.86 61.09,129.54 60.33,128.78 59.56,128.78 55.63,124.84 31.37,124.84 29.34,122.81 29.34,112.78 30.35,111.76 30.35,107.06 32.13,105.28 v1(32.13,105.03)
  Bottom w0.254: v1(57.78,142.75) 62.23,142.75 63.88,141.1 68.58,141.1 69.22,141.73 70.87,141.73 v1(71.88,142.75) ; R39.1 32.13,103.32 v1(32.13,105.03)
/Analog/MOTD+: length 92.4
  Top w0.254: v1(42.93,107.57) 42.67,107.82 42.67,111 43.81,112.14 44.4,112.14 ; v1(10.03,97.66) 8.76,97.66 7.49,98.93 6.09,98.93 ; v1(49.91,113.67) 49.91,111.51 51.31,110.11 7F1.3
  Bottom w0.254: v1(49.91,113.67) 47.88,113.67 47.62,113.41 47.62,111 44.2,107.57 v1(42.93,107.57) 40.64,107.57 39.5,108.71 31.5,108.71 29.97,110.24 28.07,110.24 27.05,111.25 23.5,111.25 22.86,110.62 19.56,110.62 19.3,110.36 17.02,110.36 16.38,111 15.75,111 15.37,110.62 8.65,110.62 8,111.26 8,112.52 7.37,113.16 5.97,113.16 5.46,112.65 5.46,111 9.14,107.32 R68.1 11.69,107.06 14.99,103.76 14.99,98.93 13.72,97.66 v1(10.03,97.66)